# Altium PCB X98_CARRIER_V1R2_12082022.PcbDoc (part 7 of 10)
Units mm, origin at the board's own origin, x right, y up, seen from the top; angles counter-clockwise.
Board outline 100 x 72 mm, 4 copper layers (Top Layer, Layer 1, Layer 2, Bottom Layer), stack 1.543 mm thick; 772 components, 527 nets, 2344 pads, 1194 vias.
Unrouted connection lines stored in the file: 58.
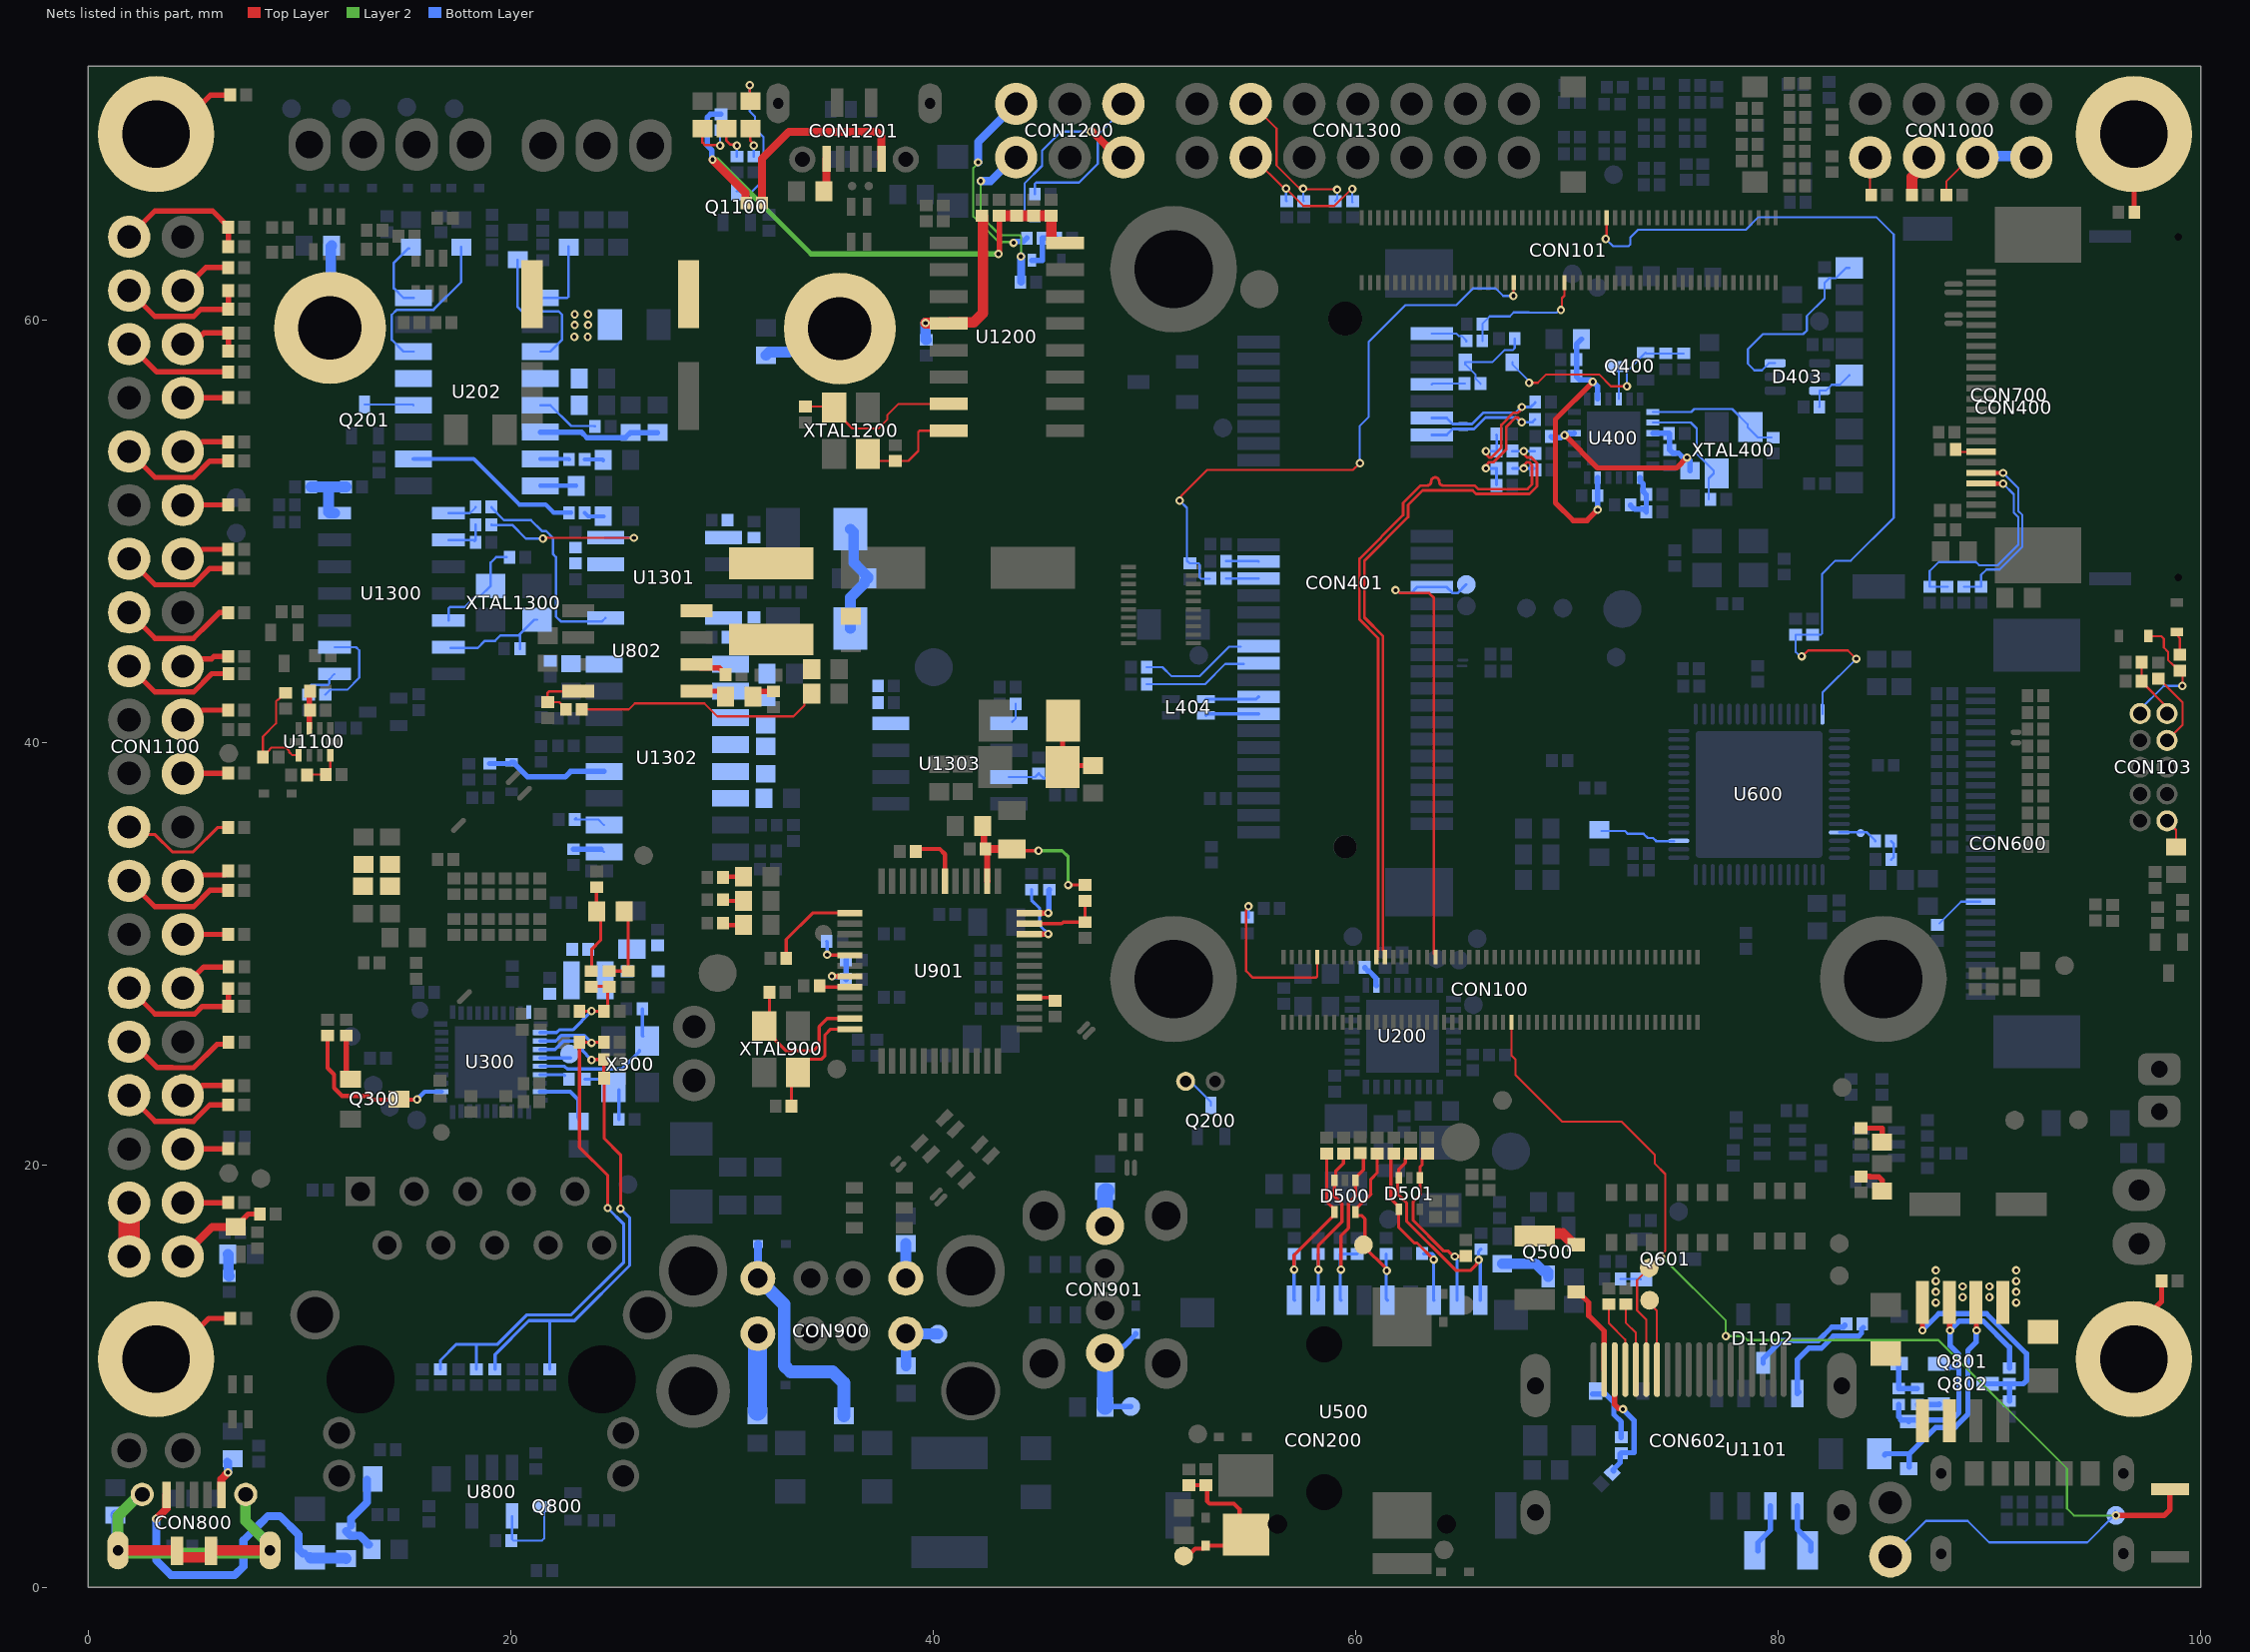
[diagram p9: the nets of this part, all layers, seen from the top]

## Via types
v1: diameter 0.4, hole 0.2, Top Layer to Bottom Layer, tented both sides, 1194 vias

## Nets (pads, with @x,y where several pads share a name; then routed paths per layer and width w, separated by ;. In a path a pad name is that pad's centre, name@x,y a point inside that pad or via, vN(x,y) a via of type N, cw(c..) or ccw(c..) an arc to the next point about the centre after c; other vN are vias at no path point) (continued)
NetC215_1: C215.1 U200.18 | length 1.1
  Bottom Layer w0.254: C215.1@60.43,29.354 60.43,29.328 60.582,29.176 60.635,29.176 60.955,28.856 60.955,28.517 U200.18@60.978,28.494
NetC216_1: C216.1 C218.1 C219.1 C220.1 L202.1 U202.4 U202.13
  other v1: 23.007,59.192 23.642,59.192 23.027,59.758 23.662,59.758 23.027,60.266 23.662,60.266
NetC217_1: C217.1 L206.2 U202.6 | length 5.8
  Bottom Layer w0.254: U202.6@21.399,54.69 23.339,54.69 23.607,54.423 25.423,54.423 C217.1@25.666,54.666 L206.2@26.945,54.666
NetC221_2: C221.2 R210.1 | length 0.9
  Bottom Layer w0.2: R210.1@23.504,53.4 24.339,53.4 C221.2@24.376,53.363
NetC222_2: C222.2 R211.1 | length 1
  Bottom Layer w0.203: R211.1@23.504,50.86 23.669,50.694 C222.2@24.4,50.694
NetC223_1: C223.1 U202.8 | length 1.7
  Bottom Layer w0.2: U202.8@21.401,52.148 U202.8@21.399,52.15 23.099,52.15 C223.1@23.102,52.148
NetC300_1: C300.1 U300.36 X300.3 | length 6.5
  Bottom Layer w0.152: U300.36@21.375,24.667 22.552,24.667 22.677,24.541 24.204,24.541 24.205,24.543 25.257,24.543 26.086,25.372 X300.3@26.086,25.425 ; C300.1@26.227,27.386 26.227,26.123 X300.3@26.264,26.086
NetC301_2: C301.2 R320.1 X300.1 | length 2.5
  Bottom Layer w0.152: R320.1@23.509,24.059 24.506,24.059 X300.1@24.562,24.003 ; C301.2@25.121,22.154 X300.1@25.121,23.545
NetC304_1: C304.1 L300.1 R321.2 U300.30
NetC305_1: C305.1 C306.1 L300.2 R321.1 R322.2 R324.2
NetC404_1: C404.1 C405.1 L401.2 U400.7 | length 2.6
  Bottom Layer w0.254: L401.2@73.011,51.237 73.011,51.211 73.163,51.059 73.189,51.059 73.214,51.034 73.633,51.034 C404.1@73.76,50.907 73.76,51.719 73.607,51.872 73.607,52.235 73.461,52.381 U400.7@73.461,52.531
NetC406_1: C406.1 C407.1 C408.1 L402.1 U400.3 U400.16 | length 11
  Top Layer w0.254: v1@69.896,54.543 71.445,52.994 75.19,52.994 v1(75.68,53.484)
  Bottom Layer w0.254: C407.1@69.25,54.478 69.312,54.417 69.701,54.417 69.828,54.543 v1(69.884,54.543) ; v1@69.886,54.618 70.327,54.618 U400.16@70.35,54.641 ; U400.3@74.07,54.641 74.079,54.632 74.825,54.632 C408.1@74.835,54.623 74.85,54.607 74.85,53.862 C406.1@74.866,53.846 75.019,53.693 75.284,53.693 75.494,53.484 v1(75.68,53.484) 75.828,53.335 L402.1@75.828,52.865
NetC409_1: C409.1 C410.1 C411.1 L403.2 U400.11 U400.20 | length 14.3
  Top Layer w0.254: v1(71.223,57.065) 69.455,55.298 69.455,51.343 70.294,50.505 70.949,50.505 v1(71.452,51.008)
  Bottom Layer w0.254: L403.2@70.689,59.09 70.454,58.855 70.454,57.31 70.607,57.157 71.091,57.157 71.183,57.065 v1(71.223,57.065) ; v1@71.223,57.133 71.223,57.087 71.461,56.849 U400.20@71.461,56.252 ; v1(71.452,51.008) 71.456,51.012 71.456,52.527 U400.11@71.461,52.531
NetC412_2: C412.2 U400.1 XTAL400.1 | length 6.3
  Bottom Layer w0.102: U400.1@74.07,55.641 75.882,55.641 76.026,55.785 77.824,55.785 78.551,55.058 78.551,54.933 79.057,54.426 C412.2@79.689,54.426
NetC417_2: C417.2 U400.2 XTAL400.3 | length 6
  Bottom Layer w0.102: U400.2@74.07,55.141 75.866,55.141 76.146,54.861 76.146,53.662 76.951,52.858 76.951,52.733 76.717,52.499 C417.2@76.717,51.505
NetC506_1: C506.1 D500.5 R510.2 TP502.1 U500.5 | length 9
  Top Layer w0.152: R510.2@61.015,20.538 61.015,19.626 60.715,19.326 60.715,18.621 60.718,18.617 59.992,17.891 59.992,17.681 60.066,17.607 60.276,17.607 60.44,17.443 60.44,16.248 60.367,16.175 60.367,16.154 61.468,15.053 v1(61.468,14.986)
  Bottom Layer w0.152: C506.1@61.446,15.784 61.446,13.653 U500.5@61.499,13.6
NetC620_1: C620.1 U600.35 | length 3.6
  Bottom Layer w0.114: C620.1@71.634,35.807 72.752,35.807 72.889,35.67 73.626,35.67 73.823,35.474 74.08,35.474 74.226,35.328 U600.35@75.082,35.328
NetC803_1: C803.1 CON800.1 L800.2 | length 15.4
  Top Layer w0.381: v1@3.226,3.251 3.7,3.725 CON800.1@3.7,4.375
  Bottom Layer w0.127: v1@3.176,3.204 v1(3.214,3.242)
  Bottom Layer w0.381: v1(3.214,3.242) 3.214,1.282 3.912,0.584 6.934,0.584 7.341,0.991 7.341,2.226 8.209,3.095 8.215,3.095 8.501,3.38 9.066,3.38 9.956,2.49 9.956,1.8 10.155,1.6 C803.1@10.236,1.6
  Bottom Layer w0.508: C803.1@10.494,1.419 10.523,1.39 12.169,1.39 L800.2@12.195,1.364
NetC804_1: C804.1 C806.1 L804.2 L805.1 R814.2 | length 11.9
  Top Layer w0.102: R814.2@23.363,41.564 25.588,41.564 25.871,41.847 29.162,41.847 29.78,41.23 33.378,41.23 33.9,41.752 33.9,41.893 34.319,42.313 C806.1@34.378,42.313
NetC805_1: C805.1 R816.1 | length 1.1
  Top Layer w0.254: R816.1@31.463,42.166 31.708,42.411 C805.1@32.436,42.411 32.445,42.411 C805.1@32.457,42.423
NetC905_2: C905.2 C906.2 L909.1 R901.2 U901.38 | length 8.8
  Top Layer w0.152: C906.2@43.713,34.965 43.804,34.874 v1(44.983,34.874) ; v1(46.389,33.248) R901.2@47.188,33.248
  Top Layer w0.305: L909.1@42.339,36.04 42.404,35.976 42.404,35.02 C905.2@42.468,34.955 42.552,34.871 42.552,33.425 U901.38@42.555,33.423
  Top Layer w0.381: C905.2@42.621,34.95 43.699,34.95 C906.2@43.713,34.965
  Layer 2 w0.152: v1(44.983,34.874) 46.101,34.874 46.389,34.586 46.389,33.332 46.431,33.29 v1(46.389,33.248)
NetC923_1: C923.1 U901.11 XTAL900.1 | length 7.5
  Top Layer w0.155: C923.1@32.244,28.173 32.244,26.829 XTAL900.1@31.991,26.576 31.991,26.451 33.043,25.4 34.315,25.4 34.595,25.679 34.595,26.543 34.975,26.923 U901.11@36.055,26.923
NetC924_1: C924.1 U901.12 XTAL900.3 | length 5.7
  Top Layer w0.152: C924.1@33.288,22.779 33.288,24.072 XTAL900.3@33.591,24.376 33.591,24.501 34.09,25 34.703,25 34.874,25.171 34.874,26.162 35.135,26.423 U901.12@36.055,26.423
NetC1100_1: C1100.1 CON1100.2 L1100.2 | length 4.5
  Top Layer w0.254: L1100.2@6.969,17.069 7.032,17.069 7.312,17.349 7.312,17.412 7.576,17.676 C1100.1@8.121,17.676
  Top Layer w0.381: CON1100.2@4.47,15.67 5.869,17.069 L1100.2@6.969,17.069
NetC1103_1: C1103.1 CON1100.1 CON1100.3 L1101.2 | length 3.6
  Top Layer w1: CON1100.1@1.93,15.67 CON1100.3@1.93,18.21
  Bottom Layer w0.508: L1101.2@6.604,15.772 6.627,15.748 6.627,14.768 6.652,14.742 C1103.1@6.671,14.742
NetC1105_1: C1105.1 L1102.1 U1100.8 | length 1.8
  Top Layer w0.254: U1100.8@10.456,40.661 10.458,40.663 10.458,42.384 C1105.1@10.493,42.419
NetC1106_2: C1106.2 R1132.2 U1100.4 | length 1.9
  Top Layer w0.102: R1132.2@10.354,38.482 C1106.2@11.244,38.482 11.456,38.694 U1100.4@11.456,39.391
NetC1200_1: C1200.1 C1201.1 L1200.1 L1204.1 L1206.2 R1201.1 U1200.16 | length 26.9
  Top Layer w0.254: v1(43.08,63.121) 43.124,63.165 L1204.1@43.124,64.931
  Top Layer w0.381: v1(29.552,67.586) 31.115,66.023 L1206.2@31.115,65.684
  Top Layer w0.508: L1204.1@43.124,64.931 L1200.1@43.941,64.931 C1200.1@44.758,64.931 C1201.1@45.574,64.931 45.586,64.919 45.586,63.69 45.632,63.644 U1200.16@46.232,63.644
  Layer 2 w0.254: v1(29.552,67.586) 29.58,67.558 29.783,67.558 34.22,63.121 v1(43.08,63.121)
  Bottom Layer w0.254: v1(29.552,67.586) 29.524,67.614 29.524,68.029 29.298,68.255 29.298,69.584 29.447,69.733 R1201.1@29.953,69.733
NetC1202_1: C1202.1 U1200.7 XTAL1200.1 | length 7.9
  Top Layer w0.102: C1202.1@33.947,55.897 35.263,55.897 XTAL1200.1@35.306,55.854 35.306,55.729 36.173,54.862 37.405,54.862 37.833,55.291 37.833,55.505 38.353,56.024 U1200.7@40.732,56.024
NetC1203_1: C1203.1 U1200.8 XTAL1200.3 | length 5.1
  Top Layer w0.102: XTAL1200.3@36.906,53.654 37.24,53.32 C1203.1@38.208,53.32 38.819,53.32 39.294,53.795 39.294,54.695 39.353,54.754 U1200.8@40.732,54.754
NetC1205_1: C1205.1 L1205.2 U1200.4 | length 8.4
  Top Layer w0.508: v1(39.634,59.853) 40.714,59.853 U1200.4@40.732,59.834 40.778,59.88 41.912,59.88 42.353,60.322 42.353,64.905 42.328,64.931 L1205.2@42.307,64.931
  Bottom Layer w0.508: v1(39.634,59.853) 39.634,59.08 39.659,59.055 C1205.1@39.671,59.055
NetC1300_1: C1300.1 U1300.5 XTAL1300.3 | length 5
  Bottom Layer w0.117: U1300.5@17.051,45.775 17.051,46.337 17.12,46.406 17.814,46.406 18.298,46.889 18.523,46.889 19.05,47.417 19.05,48.514 19.304,48.768 C1300.1@19.812,48.768
NetC1301_1: C1301.1 U1300.6 XTAL1300.1 | length 5.3
  Bottom Layer w0.117: U1300.6@17.14,44.472 18.436,44.472 18.774,44.81 19.256,44.81 19.516,45.071 20.379,45.071 20.435,45.127 ; C1301.1@20.435,44.43 20.435,45.071 20.435,45.127 ; XTAL1300.1@21.239,45.806 21.114,45.806 20.435,45.127
NetC1302_2: C1302.2 L1300.1 U1301.3
NetC1304_1: C1304.1 R1303.1 R1306.2 | length 5.4
  Bottom Layer w0.508: R1303.1@36.082,45.394 36.082,46.862 36.754,47.534 36.754,47.613 C1304.1@36.906,47.766 36.906,47.829 36.368,48.367 36.368,48.383 36.226,48.526 36.226,49.95 R1306.2@36.082,50.094
NetC1305_1: C1305.1 L1302.2 U1300.14 | length 3.2
  Bottom Layer w0.508: L1302.2@10.54,52.091 11.373,52.091 ; U1300.14@11.651,50.855 11.419,50.855 11.373,50.901 11.373,52.091 ; C1305.1@12.205,52.091 11.373,52.091
NetC1307_2: C1307.2 L1303.1 U1301.5
NetC1308_1: C1308.1 U1302.3
NetC1308_2: C1308.2 U1302.1
NetC1309_1: C1309.1 L1305.1 U1302.16
NetC1310_1: C1310.1 U1302.2
NetC1311_1: C1311.1 U1302.5
NetC1311_2: C1311.2 U1302.4
NetC1312_1: C1312.1 U1302.6
NetC1317_1: C1317.1 L1310.1 U1303.8
NetC1318_1: C1318.1 R1323.1 R1325.2 | length 3.7
  Top Layer w0.254: R1323.1@46.15,41.029 46.124,41.003 R1325.2@46.124,38.829 46.198,38.903 C1318.1@47.557,38.903
NetCON100_91: CON100.91 R115.2 | length 8.1
  Top Layer w0.114: v1(54.921,32.242) 54.921,32.165 54.818,32.062 54.818,29.172 55.129,28.861 58.108,28.861 58.179,28.932 CON100.91@58.179,29.837
  Bottom Layer w0.114: v1(54.921,32.242) 54.921,31.713 R115.2@54.926,31.709
NetCON103_2: CON103.2 R123.1 | length 1.3
  Top Layer w0.102: CON103.2@98.41,36.285 98.843,35.852 R123.1@98.843,35.158
NetCON103_8: CON103.8 R124.1 | length 3.7
  Top Layer w0.102: R124.1@98.026,43.018 99.15,41.894 99.15,40.835 CON103.8@98.41,40.095
NetCON103_9: CON103.9 D102.2 R122.1 | length 5.8
  Top Layer w0.102: D102.2@97.687,45.038 97.698,45.027 98.141,45.027 98.259,44.909 98.259,44.489 98.458,44.291 98.458,43.908 98.738,43.628 98.788,43.628 99.14,43.276 v1(99.14,42.676)
  Bottom Layer w0.102: CON103.9@97.112,41.534 98.254,42.676 v1(99.14,42.676)
NetCON103_10: CON103.10 R125.1 R126.1 | length 2.9
  Top Layer w0.102: R125.1@97.206,43.789 R126.1@97.206,42.9 97.206,42.875 98.41,41.671 CON103.10@98.41,41.365
NetCON200_6: CON200.6 D203.2 R200.1 R201.2 TP201.1 | length 7.9
  Top Layer w0.2: TP201.1@51.855,1.483 52.041,1.483 52.399,1.841 52.788,1.841 52.888,1.941 D203.2@52.888,1.981 54.281,1.981 CON200.6@54.8,2.5 54.498,2.802 54.498,3.698 54.236,3.96 53.081,3.96 52.964,4.077 52.964,4.832 52.959,4.837 52.958,4.836 52.223,4.836 52.222,4.834 R201.2@52.22,4.836
NetCON400_3: CON400.3 D403.6 R405.2 | length 2.5
  Bottom Layer w0.102: R405.2@81.953,55.872 81.962,55.881 D403.6@81.962,56.649 82.262,56.649 82.541,56.929 82.918,56.929 CON400.3@83.367,57.378
NetCON400_9: CON400.9 D403.3 R407.1 | length 9.5
  Bottom Layer w0.102: D403.3@79.862,57.949 79.562,57.949 79.228,57.615 78.877,57.615 78.566,57.926 78.566,58.617 79.274,59.325 81.185,59.325 81.356,59.497 81.356,60.185 82.194,61.023 R407.1@82.194,61.744 82.423,61.973 82.732,61.973 83.217,62.458 CON400.9@83.367,62.458
NetCON401_1: CON401.1 R412.1 | length 1.8
  Bottom Layer w0.102: CON401.1@63.608,59.353 64.76,59.353 64.876,59.238 65.017,59.238 65.234,59.021 R412.1@65.234,58.972
NetCON401_7: CON401.7 R414.1 | length 1.6
  Bottom Layer w0.102: CON401.7@63.608,56.953 63.636,56.981 R414.1@65.162,56.981
NetCON401_20: CON401.20 R409.1 | length 1.6
  Bottom Layer w0.117: R409.1@53.867,48.579 55.382,48.579 CON401.20@55.408,48.553
NetCON401_22: CON401.22 R413.1 | length 1.5
  Bottom Layer w0.117: R413.1@53.867,47.767 55.394,47.767 CON401.22@55.408,47.753
NetCON401_30: CON401.30 R428.2 | length 5.2
  Bottom Layer w0.102: R428.2@50.108,43.561 50.851,43.561 51.283,43.129 52.603,43.129 54,44.526 CON401.30@54.559,44.526
NetCON401_32: CON401.32 R429.2 | length 5
  Bottom Layer w0.102: R429.2@50.108,42.748 52.857,42.748 53.823,43.713 CON401.32@54.712,43.713
NetCON401_36: CON401.36 L404.3 | length 2.5
  Bottom Layer w0.155: L404.3@52.912,42.047 55.293,42.047 CON401.36@55.399,42.153
NetCON401_38: CON401.38 L404.2 | length 2.5
  Bottom Layer w0.155: L404.2@52.912,41.285 52.98,41.353 CON401.38@55.408,41.353
NetCON402_1: CON402.1 L400.1 | length 4
  Bottom Layer w0.508: L400.1@32.082,58.325 32.234,58.478 33.165,58.478 34.275,59.588 CON402.1@35.572,59.588
NetCON403_1: CON403.1 L405.1 | length 3.9
  Bottom Layer w0.508: CON403.1@11.442,59.621 11.481,59.661 11.481,63.471 L405.1@11.52,63.51
NetCON600_21: CON600.21 R604.2 | length 2.4
  Bottom Layer w0.102: R604.2@87.641,31.438 88.666,32.463 CON600.21@89.581,32.463
NetCON602_13: CON602.13 TP605.1 | length 3.4
  Top Layer w0.102: TP605.1@73.916,13.589 73.916,13.431 74.26,13.088 CON602.13@74.262,10.309
NetCON602_14: CON602.14 TP606.1 | length 5.2
  Top Layer w0.102: CON602.14@73.76,10.309 73.76,12.668 73.32,13.108 73.32,14.548 TP606.1@73.895,15.123
NetCON602_15: CON602.15 R620.2 | length 3.3
  Top Layer w0.102: R620.2@72.782,13.408 72.782,12.536 73.26,12.058 CON602.15@73.26,10.309
NetCON602_16: CON602.16 R621.2 | length 3.4
  Top Layer w0.102: R621.2@71.99,13.408 71.99,12.5 72.76,11.73 CON602.16@72.76,10.309
NetCON602_17: CON602.17 R611.1 R612.1 | length 6
  Top Layer w0.254: CON602.17@72.262,10.309 72.262,8.647 72.448,8.461 72.623,8.461 v1(72.651,8.433)
  Bottom Layer w0.254: R612.1@72.203,5.518 72.185,5.536 72.185,5.572 72.517,5.903 72.517,6.325 72.542,6.35 R611.1@72.568,6.35 72.593,6.376 73.159,6.376 73.172,6.389 73.172,7.912 v1(72.651,8.433)
NetCON602_18: CON602.18 D600.K | length 4.3
  Top Layer w0.254: D600.K@70.429,13.986 70.529,13.986 71.027,13.488 71.027,12.866 71.759,12.133 CON602.18@71.759,10.31
NetCON700_18: CON700.18 R701.1 | length 1.3
  Top Layer w0.102: R701.1@88.405,53.873 88.522,53.757 CON700.18@89.609,53.757
NetCON700_20: CON700.20 R702.1 R703.1 | length 8.8
  Top Layer w0.102: v1@90.678,52.756 v1@90.703,52.781
  Top Layer w0.203: CON700.20@89.609,52.757 v1@90.678,52.756
  Bottom Layer w0.102: R702.1@88.798,47.365 R703.1@89.541,47.365 ; R703.1@89.611,47.365 89.611,47.93 89.865,48.184 90.483,48.184 91.567,49.268 91.567,50.757 91.364,50.96 91.364,52.045 90.678,52.73 v1@90.678,52.781
  other v1: 90.653,52.756
NetCON700_21: CON700.21 R704.1 R705.1 | length 10.7
  Top Layer w0.102: CON700.21@89.609,52.257 CON700.21@89.613,52.252 ; v1@90.632,52.252 v1@90.653,52.273
  Top Layer w0.203: CON700.21@89.613,52.252 v1@90.632,52.252
  Bottom Layer w0.102: R704.1@88.036,47.371 88.03,47.365 R704.1@87.986,47.365 R705.1@87.173,47.365 87.173,48.108 87.605,48.539 89.357,48.539 89.51,48.387 90.399,48.387 91.364,49.352 91.364,50.673 91.161,50.876 91.161,51.74 v1(90.653,52.248) v1@90.627,52.273
NetCON800_5: CON800.5 L802.2 | length 1.7
  Top Layer w0.381: CON800.5@6.3,4.375 6.3,5.126 6.604,5.43 v1(6.604,5.436)
  Bottom Layer w0.381: L802.2@6.579,5.944 6.608,5.915 6.608,5.439 v1(6.604,5.436)
NetCON800_G1: CON800.G1 CON800.G2 CON800.G3 CON800.G4 CON800.G5 CON800.G6 L808.2 | length 22.8
  Top Layer w0.508: CON800.G5@1.4,1.75 CON800.G3@4.175,1.75 ; CON800.G3@4.2,1.725 4.2,1.465 4.246,1.419 5.754,1.419 5.8,1.465 CON800.G4@5.8,1.725 ; CON800.G4@5.825,1.75 CON800.G6@8.6,1.75
  Layer 2 w0.508: CON800.G1@2.488,4.463 1.4,3.375 CON800.G5@1.4,1.75 1.525,1.625 8.475,1.625 CON800.G6@8.6,1.75 CON800.G6@8.6,2.102 ; CON800.G2@7.45,4.4 7.442,4.392 7.442,3.15 CON800.G6@8.49,2.102
  Bottom Layer w0.508: L808.2@1.295,3.414 1.348,3.362 1.348,1.932 CON800.G5@1.346,1.93
NetCON900_1: CON900.1 D900.2 L903.1 | length 11.2
  Bottom Layer w0.381: CON900.1@31.7,14.758 D900.2@31.7,16.256
  Bottom Layer w0.508: CON900.1@31.598,14.656 CON900.1@31.7,14.758 ; CON900.1@31.7,14.63 CON900.1@31.824,14.754
  Bottom Layer w0.61: CON900.1@31.7,14.63 32.944,13.386 32.944,10.502 33.241,10.204 35.237,10.204 35.761,9.68 L903.1@35.761,8.125
NetCON900_4: CON900.4 L900.1 | length 1.7
  Bottom Layer w0.508: L900.1@38.7,16.281 CON900.4@38.7,14.63 CON900.4@38.723,14.63
NetCON900_5: CON900.5 D902.2 L908.1 | length 3.7
  Bottom Layer w0.508: CON900.5@31.68,11.99 CON900.5@31.7,12.01
  Bottom Layer w0.889: L908.1@31.68,8.336 CON900.5@31.68,11.99
NetCON900_8: CON900.8 L905.1 TP908.1 | length 3.1
  Bottom Layer w0.508: CON900.8@38.7,12.01 CON900.8@38.706,12.004 ; L905.1@38.712,10.487 38.706,10.493 CON900.8@38.706,12.004 ; TP908.1@40.221,11.986 40.209,11.998 38.712,11.998 CON900.8@38.706,12.004
NetCON901_1: CON901.1 D901.2 L907.1 TP906.1 | length 6.1
  Bottom Layer w0.254: L907.1@48.141,8.542 48.141,8.611 L907.1@48.41,8.88 ; CON901.1@48.146,10.853 48.689,11.396 49.008,11.396 49.586,11.974 D901.2@49.586,12.014 ; L907.1@48.235,8.534 48.26,8.56 TP906.1@49.352,8.56
  Bottom Layer w0.762: CON901.1@48.13,11.1 48.125,11.095 48.125,8.558 L907.1@48.141,8.542
NetCON901_4: CON901.4 L902.1 | length 1.7
  Bottom Layer w0.762: CON901.4@48.13,17.1 48.133,17.103 48.133,18.726 48.176,18.77 L902.1@48.189,18.77
NetCON1000_2: CON1000.2 CON1000.4 R1030.2 | length 5.1
  Top Layer w0.102: R1030.2@87.96,65.963 87.96,66.553 89.166,67.759 CON1000.4@89.421,67.759
  Bottom Layer w0.508: CON1000.4@89.421,67.759 CON1000.2@91.961,67.759
NetCON1000_6: CON1000.6 R1031.2 | length 2
  Top Layer w0.508: R1031.2@86.335,65.963 86.335,66.759 86.881,67.305 CON1000.6@86.881,67.759
NetCON1000_8: CON1000.8 R1032.2 | length 1.8
  Top Layer w0.102: CON1000.8@84.341,67.759 84.341,66.027 R1032.2@84.404,65.963
NetCON1100_4: CON1100.4 R1110.2 | length 2.2
  Top Layer w0.254: CON1100.4@4.471,18.211 R1110.2@6.626,18.211
NetCON1100_6: CON1100.6 R1111.2 | length 2.2
  Top Layer w0.254: CON1100.6@4.47,20.75 4.48,20.76 6.615,20.76 R1111.2@6.626,20.771
NetCON1100_7: CON1100.7 R1113.1 | length 5.5
  Top Layer w0.254: CON1100.7@1.93,23.29 3.159,22.061 4.979,22.061 5.756,22.838 R1113.1@6.626,22.838
NetCON1100_8: CON1100.8 R1112.2 | length 2.3
  Top Layer w0.254: CON1100.8@4.47,23.29 4.942,23.29 5.405,23.753 R1112.2@6.626,23.753
NetCON1100_9: CON1100.9 R1114.1 | length 5.7
  Top Layer w0.254: CON1100.9@1.93,25.83 2.047,25.83 3.272,24.606 3.957,24.606 3.961,24.601 4.979,24.601 6.091,25.713 6.541,25.713 R1114.1@6.637,25.809
NetCON1100_11: CON1100.11 R1115.1 R1117.1 | length 6.2
  Top Layer w0.254: CON1100.11@1.93,28.37 3.159,27.141 5.037,27.141 5.398,27.502 R1115.1@6.626,27.502 R1117.1@6.626,28.349
NetCON1100_12: CON1100.12 R1116.2 | length 2.6
  Top Layer w0.254: CON1100.12@4.47,28.37 5.467,29.367 R1116.2@6.636,29.367
NetCON1100_14: CON1100.14 R1118.2 | length 2.2
  Top Layer w0.254: CON1100.14@4.47,30.91 R1118.2@6.626,30.91
NetCON1100_15: CON1100.15 R1120.1 | length 5.5
  Top Layer w0.254: CON1100.15@1.93,33.45 3.159,32.221 4.979,32.221 5.755,32.997 R1120.1@6.626,32.997
NetCON1100_16: CON1100.16 R1119.2 | length 2.4
  Top Layer w0.254: CON1100.16@4.47,33.45 4.748,33.728 6.473,33.728 6.626,33.881 R1119.2@6.626,33.906
NetCON1100_17: CON1100.17 R1121.1 | length 5.7